# Altium PCB ASCII_LimeSDR-USB_1v4.PcbDoc (part 1 of 10) (continued)
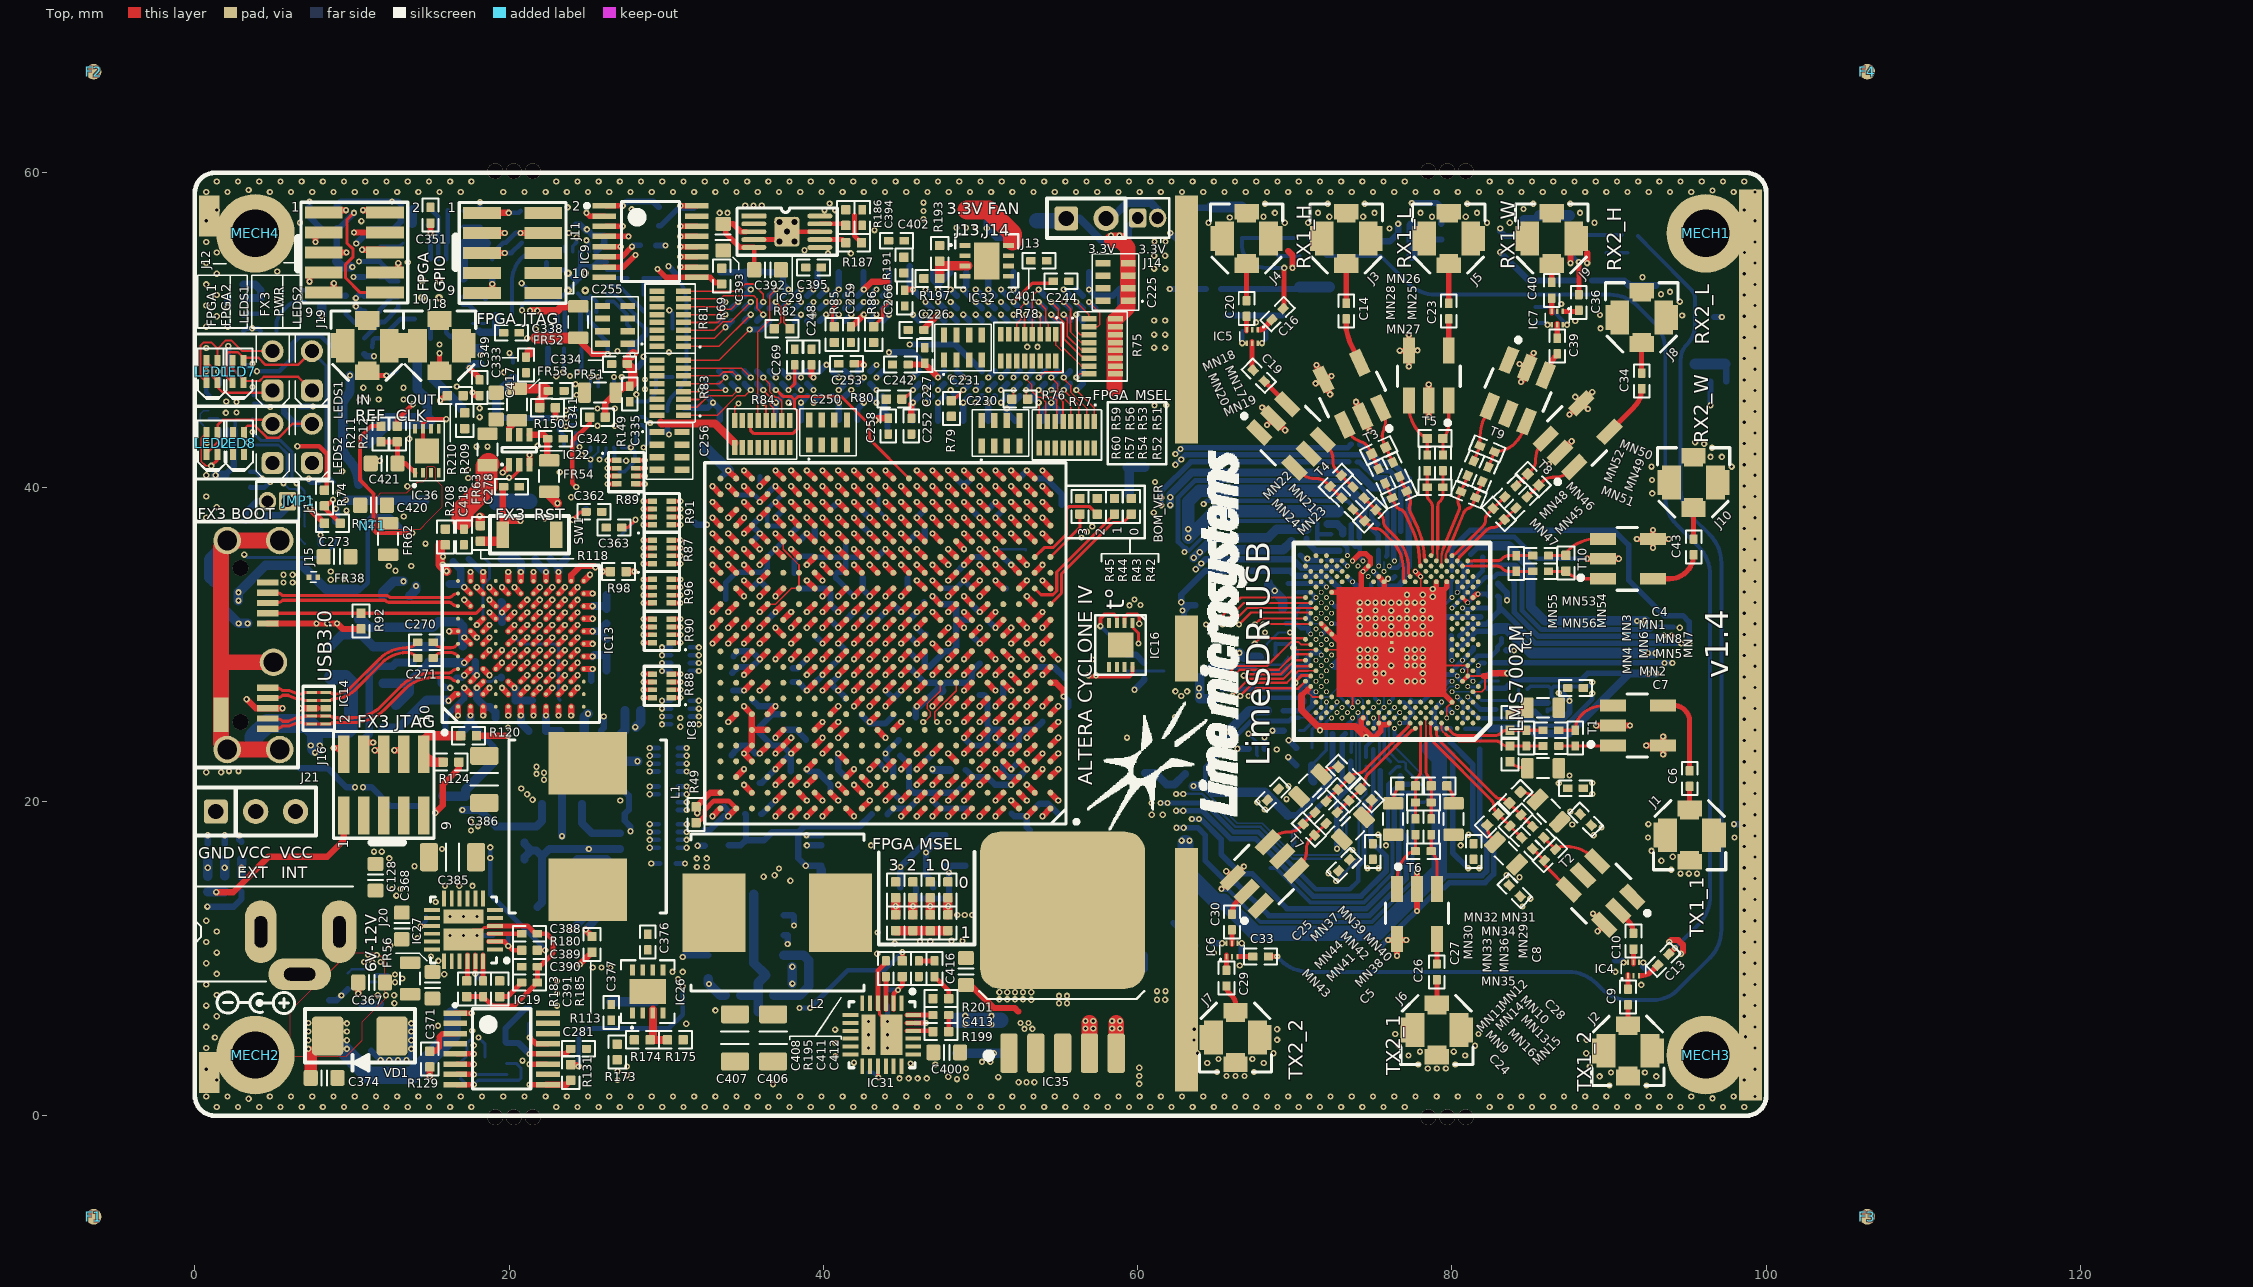
[diagram p0: Top view]
## Design rules (kind name [scope] priority, off if disabled: settings) (continued)
FanoutControl Fanout_Default [All] p0: scope1count=1 scope1_0_kind=Board scope1_0_value=Board scope2count=1 scope2_0_kind=Board scope2_0_value=Board commentlength=30 // Fanout_Default (Default Rule)
Height "PCI Express, Page 84, \"Component Height Constraints\" for solder side" [All] p0 off: scope1count=1 scope1_0_kind=Board scope1_0_value=Board scope2count=1 scope2_0_kind=Board scope2_0_value=Board commentlength=52 // Protel DXP Scope 1 Expression Was: OnBottomLayer
Height "PCI Express, Page 84, \"Component Height Constraints\" for component side" [All] p0 off: scope1count=1 scope1_0_kind=Board scope1_0_value=Board scope2count=1 scope2_0_kind=Board scope2_0_value=Board commentlength=49 // Protel DXP Scope 1 Expression Was: OnTopLayer
Height "PCI Express, Page 84, \"Component Height Constraints\" for solder side" [OnBottomLayer] p1: minheight=0 maxheight=2.67 prefheight=2.67
Height "PCI Express, Page 84, \"Component Height Constraints\" for component side" [OnTopLayer] p2: minheight=0 maxheight=14.47 prefheight=14.47
HoleSize [All] p0: scope1count=1 scope1_0_kind=Board scope1_0_value=Board scope2count=1 scope2_0_kind=Board scope2_0_value=Board commentlength=0 absolutevalues=TRUE maxlimit=10 minlimit=0.2 maxpercent=80.000 minpercent=20.000
HoleSize [All] p1: absolutevalues=TRUE maxlimit=10 minlimit=0.2 maxpercent=80.000 minpercent=20.000
HoleToHoleClearance [All] p0: scope1count=1 scope1_0_kind=Board scope1_0_value=Board scope2count=1 scope2_0_kind=Board scope2_0_value=Board commentlength=0
HoleToHoleClearance [All] p1: gap=0.15 allowstackedmicrovias=TRUE
LayerPairs [All] p0: scope1count=1 scope1_0_kind=Board scope1_0_value=Board scope2count=1 scope2_0_kind=Board scope2_0_value=Board commentlength=0 enforce=TRUE
MatchedLengths MatchedLengths_LMS_PORT2 [All] p0: scope1count=1 scope1_0_kind=NetClass scope1_0_value=LMS_PORT2 scope2count=1 scope2_0_kind=Board scope2_0_value=Board commentlength=45 tolerance=1 amplitude=5.08 gap=0.508 style=90-Degree // tolerance increased due to MCLK being longer
MatchedLengths MatchedLengths_LMS_PORT1 [All] p0: scope1count=1 scope1_0_kind=NetClass scope1_0_value=LMS_PORT1 scope2count=1 scope2_0_kind=Board scope2_0_value=Board commentlength=45 tolerance=1 amplitude=5.08 gap=0.508 style=90-Degree // tolerance increased due to MCLK being longer
MatchedLengths MatchedLengths_DDR2_2_DQ [All] p0: scope1count=1 scope1_0_kind=NetClass scope1_0_value=DDR2_2_DQ[0..15] scope2count=1 scope2_0_kind=Board scope2_0_value=Board commentlength=0 tolerance=0.5 amplitude=5.08 gap=0.508 style=90-Degree
MatchedLengths MatchedLengths_DDR2_2_A [All] p0: scope1count=1 scope1_0_kind=NetClass scope1_0_value=DDR2_2_A[0..12] scope2count=1 scope2_0_kind=Board scope2_0_value=Board commentlength=0 tolerance=0.5 amplitude=5.08 gap=0.508 style=90-Degree
MatchedLengths MatchedLengths_DDR2_1_DQ [All] p0: scope1count=1 scope1_0_kind=NetClass scope1_0_value=DDR2_1_DQ[0..15] scope2count=1 scope2_0_kind=Board scope2_0_value=Board commentlength=0 tolerance=0.5 amplitude=5.08 gap=0.508 style=90-Degree
MatchedLengths MatchedLengths_DDR2_1_A [All] p0: scope1count=1 scope1_0_kind=NetClass scope1_0_value=DDR2_1_A[0..12] scope2count=1 scope2_0_kind=Board scope2_0_value=Board commentlength=0 tolerance=0.5 amplitude=5.08 gap=0.508 style=90-Degree
MatchedLengths MatchedLengths_DDR2_2_DQ [InNetClass('DDR2_2_DQ[0..15]')] p1: tolerance=0.5 checknetsindiffpair=FALSE checkdiffpairvsdiffpair=TRUE checkxsignals=TRUE checkothers=TRUE
MatchedLengths MatchedLengths_DDR2_1_DQ [InNetClass('DDR2_1_DQ[0..15]')] p2: tolerance=0.5 checknetsindiffpair=FALSE checkdiffpairvsdiffpair=TRUE checkxsignals=TRUE checkothers=TRUE
MatchedLengths MatchedLengths_DDR2_2_A [InNetClass('DDR2_2_A[0..12]')] p3: tolerance=0.5 checknetsindiffpair=FALSE checkdiffpairvsdiffpair=TRUE checkxsignals=TRUE checkothers=TRUE
MatchedLengths MatchedLengths_DDR2_1_A [InNetClass('DDR2_1_A[0..12]')] p4: tolerance=0.5 checknetsindiffpair=FALSE checkdiffpairvsdiffpair=TRUE checkxsignals=TRUE checkothers=TRUE
MatchedLengths MatchedLengths_LMS_PORT1 [InNetClass('LMS_PORT1')] p5: tolerance=1 checknetsindiffpair=FALSE checkdiffpairvsdiffpair=TRUE checkxsignals=TRUE checkothers=TRUE // tolerance increased due to MCLK being longer
MatchedLengths MatchedLengths_LMS_PORT2 [InNetClass('LMS_PORT2')] p6: tolerance=1 checknetsindiffpair=FALSE checkdiffpairvsdiffpair=TRUE checkxsignals=TRUE checkothers=TRUE // tolerance increased due to MCLK being longer
MinimumSolderMaskSliver [All] p0: scope1count=1 scope1_0_kind=Board scope1_0_value=Board scope2count=1 scope2_0_kind=Board scope2_0_value=Board commentlength=0
NetAntennae [All] p0: scope1count=1 scope1_0_kind=Board scope1_0_value=Board scope2count=1 scope2_0_kind=Board scope2_0_value=Board commentlength=0
PasteMaskExpansion [All] p0: scope1count=1 scope1_0_kind=Board scope1_0_value=Board scope2count=1 scope2_0_kind=Board scope2_0_value=Board commentlength=0 expansion=0
PlaneClearance [All] p0: scope1count=1 scope1_0_kind=Board scope1_0_value=Board scope2count=1 scope2_0_kind=Board scope2_0_value=Board commentlength=0 clearance=0
PlaneClearance [All] p1: clearance=0
PlaneConnect [All] p0: scope1count=1 scope1_0_kind=Board scope1_0_value=Board scope2count=1 scope2_0_kind=Board scope2_0_value=Board commentlength=0 planeconnectstyle=Relief reliefexpansion=0.508 reliefentries=4 reliefconductorwidth=0.254 reliefairgap=0.254
PolygonConnect PolygonConnect_VDIO_LMS_LMK [All] p0: scope1count=1 scope1_0_kind=Net scope1_0_value=VDIO_LMS_LMK scope2count=1 scope2_0_kind=Board scope2_0_value=Board commentlength=0 connectstyle=Direct reliefconductorwidth=0.254 reliefentries=4 polygonreliefangle="90 Angle"
PolygonConnect PolygonConnect_netC237_1 [All] p0: scope1count=1 scope1_0_kind=Net scope1_0_value=NetC373_1 scope2count=1 scope2_0_kind=Board scope2_0_value=Board commentlength=0 connectstyle=Direct reliefconductorwidth=0.254 reliefentries=4 polygonreliefangle="90 Angle"
PolygonConnect PolygonConnect_VCC_EXT [All] p0: scope1count=1 scope1_0_kind=Net scope1_0_value=VCC_EXT scope2count=1 scope2_0_kind=Board scope2_0_value=Board commentlength=0 connectstyle=Direct reliefconductorwidth=0.254 reliefentries=4 polygonreliefangle="90 Angle"
PolygonConnect PolygonConnect_VCC_INT [All] p0: scope1count=1 scope1_0_kind=Net scope1_0_value=VCC_INT scope2count=1 scope2_0_kind=Board scope2_0_value=Board commentlength=0 connectstyle=Direct reliefconductorwidth=0.254 reliefentries=4 polygonreliefangle="90 Angle"
PolygonConnect PolygonConnect_NETJ17_1 [All] p0: scope1count=1 scope1_0_kind=Net scope1_0_value=NetJ17_1 scope2count=1 scope2_0_kind=Board scope2_0_value=Board commentlength=0 connectstyle=Direct reliefconductorwidth=0.254 reliefentries=4 polygonreliefangle="90 Angle"
PolygonConnect PolygonConnect_VCC1P2 [All] p0: scope1count=1 scope1_0_kind=Net scope1_0_value=VCC1P2 scope2count=1 scope2_0_kind=Board scope2_0_value=Board commentlength=0 connectstyle=Direct reliefconductorwidth=0.254 reliefentries=4 polygonreliefangle="90 Angle"
PolygonConnect PolygonConnect_VCC5P0 [All] p0: scope1count=1 scope1_0_kind=NetClass scope1_0_value=VCC5P0 scope2count=1 scope2_0_kind=Board scope2_0_value=Board commentlength=0 connectstyle=Direct reliefconductorwidth=0.254 reliefentries=4 polygonreliefangle="90 Angle"
PolygonConnect PolygonConnect_VCC2P5 [All] p0: scope1count=1 scope1_0_kind=Net scope1_0_value=VCC2P5 scope2count=1 scope2_0_kind=Board scope2_0_value=Board commentlength=0 connectstyle=Direct reliefconductorwidth=0.254 reliefentries=4 polygonreliefangle="90 Angle"
PolygonConnect PolygonConnect_VCC1P8_DDR2 [All] p0: scope1count=1 scope1_0_kind=NetClass scope1_0_value=VCC1P8_DDR2 scope2count=1 scope2_0_kind=Board scope2_0_value=Board commentlength=0 connectstyle=Direct reliefconductorwidth=0.254 reliefentries=4 polygonreliefangle="90 Angle"
PolygonConnect PolygonConnect_VCC5P0_USB [All] p0: scope1count=1 scope1_0_kind=NetClass scope1_0_value=VCC5P0_USB scope2count=1 scope2_0_kind=Board scope2_0_value=Board commentlength=0 connectstyle=Direct reliefconductorwidth=0.254 reliefentries=4 polygonreliefangle="90 Angle"
PolygonConnect [All] p0: scope1count=1 scope1_0_kind=Board scope1_0_value=Board scope2count=1 scope2_0_kind=Board scope2_0_value=Board commentlength=0 connectstyle=Relief reliefconductorwidth=0.254 reliefentries=4 polygonreliefangle="90 Angle"
PolygonConnect PolygonConnect_VCC3P3 [All] p0: scope1count=1 scope1_0_kind=NetClass scope1_0_value=VCC3P3 scope2count=1 scope2_0_kind=Board scope2_0_value=Board commentlength=0 connectstyle=Direct reliefconductorwidth=0.254 reliefentries=4 polygonreliefangle="90 Angle"
PolygonConnect PolygonConnect_VREF_DDR [All] p0: scope1count=1 scope1_0_kind=Net scope1_0_value=VREF_DDR2 scope2count=1 scope2_0_kind=Board scope2_0_value=Board commentlength=0 connectstyle=Direct reliefconductorwidth=0.254 reliefentries=4 polygonreliefangle="90 Angle"
PolygonConnect PolygonConnect_VCC1P8 [All] p0: scope1count=1 scope1_0_kind=Net scope1_0_value=VCC1P8 scope2count=1 scope2_0_kind=Board scope2_0_value=Board commentlength=0 connectstyle=Direct reliefconductorwidth=0.254 reliefentries=4 polygonreliefangle="90 Angle"
PolygonConnect PolygonConnect_VDIO_LMS_FPGA [All] p0: scope1count=1 scope1_0_kind=Net scope1_0_value=VDIO_LMS_FPGA scope2count=1 scope2_0_kind=Board scope2_0_value=Board commentlength=0 connectstyle=Direct reliefconductorwidth=0.254 reliefentries=4 polygonreliefangle="90 Angle"
PolygonConnect PolygonConnect_VCC1P8_LMS [All] p0: scope1count=1 scope1_0_kind=Net scope1_0_value=VCC1P8_LMS scope2count=1 scope2_0_kind=Board scope2_0_value=Board commentlength=0 connectstyle=Direct reliefconductorwidth=0.254 reliefentries=4 polygonreliefangle="90 Angle"
PolygonConnect PolygonConnect_VCC3P3_FX3 [All] p0: scope1count=1 scope1_0_kind=Net scope1_0_value=VCC3P3_FX3 scope2count=1 scope2_0_kind=Board scope2_0_value=Board commentlength=0 connectstyle=Direct reliefconductorwidth=0.254 reliefentries=4 polygonreliefangle="90 Angle"
PolygonConnect PolygonConnect_VCC1P8_FX3 [All] p0: scope1count=1 scope1_0_kind=Net scope1_0_value=VCC1P8_FX3 scope2count=1 scope2_0_kind=Board scope2_0_value=Board commentlength=0 connectstyle=Direct reliefconductorwidth=0.254 reliefentries=4 polygonreliefangle="90 Angle"
PolygonConnect PolygonConnect_+3.3V_DIG_LMK [All] p0: scope1count=1 scope1_0_kind=Net scope1_0_value=+3.3V_DIG_LMK scope2count=1 scope2_0_kind=Board scope2_0_value=Board commentlength=0 connectstyle=Direct reliefconductorwidth=0.254 reliefentries=4 polygonreliefangle="90 Angle"
PolygonConnect PolygonConnect_VDD_FX3 [All] p0: scope1count=1 scope1_0_kind=Net scope1_0_value=VDD_FX3 scope2count=1 scope2_0_kind=Board scope2_0_value=Board commentlength=0 connectstyle=Direct reliefconductorwidth=0.254 reliefentries=4 polygonreliefangle="90 Angle"
PolygonConnect PolygonConnect_GND [All] p0: scope1count=1 scope1_0_kind=Net scope1_0_value=GND scope2count=1 scope2_0_kind=Board scope2_0_value=Board commentlength=0 connectstyle=Direct reliefconductorwidth=0.254 reliefentries=4 polygonreliefangle="90 Angle"
PolygonConnect PolygonConnect_FX3_GND [All] p0: scope1count=1 scope1_0_kind=Net scope1_0_value=FX3_GND scope2count=1 scope2_0_kind=Board scope2_0_value=Board commentlength=0 connectstyle=Direct reliefconductorwidth=0.254 reliefentries=4 polygonreliefangle="90 Angle"
PolygonConnect PolygonConnect_NETJ15 [All] p0: scope1count=1 scope1_0_kind=Net scope1_0_value=NetJ15_1 scope2count=1 scope2_0_kind=Board scope2_0_value=Board commentlength=0 connectstyle=Direct reliefconductorwidth=0.254 reliefentries=4 polygonreliefangle="90 Angle"
PolygonConnect PolygonConnect_NETJ16 [All] p0: scope1count=1 scope1_0_kind=Net scope1_0_value=NetJ16_2 scope2count=1 scope2_0_kind=Board scope2_0_value=Board commentlength=0 connectstyle=Direct reliefconductorwidth=0.254 reliefentries=4 polygonreliefangle="90 Angle"
PolygonConnect PolygonConnect_NetC420_2 [All] p0: scope1count=1 scope1_0_kind=Net scope1_0_value=NetC420_2 scope2count=1 scope2_0_kind=Board scope2_0_value=Board commentlength=0 connectstyle=Direct reliefconductorwidth=0.254 reliefentries=4 polygonreliefangle="90 Angle"
PolygonConnect PolygonConnect_VCC3P3 [InNetClass('VCC3P3')] p1: connectstyle=Direct reliefconductorwidth=0.254 reliefentries=4 polygonreliefangle="90 Angle" airgapwidth=0.254
PolygonConnect PolygonConnect_GND [InNet('GND')] p2: connectstyle=Direct reliefconductorwidth=0.254 reliefentries=4 polygonreliefangle="90 Angle" airgapwidth=0.254
PolygonConnect PolygonConnect_FX3_GND [InNet('FX3_GND')] p3: connectstyle=Direct reliefconductorwidth=0.254 reliefentries=4 polygonreliefangle="90 Angle" airgapwidth=0.254
PolygonConnect PolygonConnect_VCC1P2 [InNet('VCC1P2')] p4: connectstyle=Direct reliefconductorwidth=0.254 reliefentries=4 polygonreliefangle="90 Angle" airgapwidth=0.254
PolygonConnect PolygonConnect_NetC420_2 [InNet('NetC420_2')] p5: connectstyle=Direct reliefconductorwidth=0.254 reliefentries=4 polygonreliefangle="90 Angle" airgapwidth=0.254
PolygonConnect PolygonConnect_VDIO_LMS_LMK [InNet('VDIO_LMS_LMK')] p6: connectstyle=Direct reliefconductorwidth=0.254 reliefentries=4 polygonreliefangle="90 Angle" airgapwidth=0.254
PolygonConnect PolygonConnect_VCC1P8 [InNet('VCC1P8')] p7: connectstyle=Direct reliefconductorwidth=0.254 reliefentries=4 polygonreliefangle="90 Angle" airgapwidth=0.254
PolygonConnect PolygonConnect_VCC1P8_LMS [InNet('VCC1P8_LMS')] p8: connectstyle=Direct reliefconductorwidth=0.254 reliefentries=4 polygonreliefangle="90 Angle" airgapwidth=0.254
PolygonConnect PolygonConnect_VCC1P8_FX3 [InNet('VCC1P8_FX3')] p9: connectstyle=Direct reliefconductorwidth=0.254 reliefentries=4 polygonreliefangle="90 Angle" airgapwidth=0.254
PolygonConnect PolygonConnect_+3.3V_DIG_LMK [InNet('+3.3V_DIG_LMK')] p10: connectstyle=Direct reliefconductorwidth=0.254 reliefentries=4 polygonreliefangle="90 Angle" airgapwidth=0.254
PolygonConnect PolygonConnect_VDD_FX3 [InNet('VDD_FX3')] p11: connectstyle=Direct reliefconductorwidth=0.254 reliefentries=4 polygonreliefangle="90 Angle" airgapwidth=0.254
PolygonConnect PolygonConnect_VCC3P3_FX3 [InNet('VCC3P3_FX3')] p12: connectstyle=Direct reliefconductorwidth=0.254 reliefentries=4 polygonreliefangle="90 Angle" airgapwidth=0.254
PolygonConnect PolygonConnect_VCC_INT [InNet('VCC_INT')] p13: connectstyle=Direct reliefconductorwidth=0.254 reliefentries=4 polygonreliefangle="90 Angle" airgapwidth=0.254
PolygonConnect PolygonConnect_VCC_EXT [InNet('VCC_EXT')] p14: connectstyle=Direct reliefconductorwidth=0.254 reliefentries=4 polygonreliefangle="90 Angle" airgapwidth=0.254
PolygonConnect PolygonConnect_NETJ17_1 [InNet('NetJ17_1')] p15: connectstyle=Direct reliefconductorwidth=0.254 reliefentries=4 polygonreliefangle="90 Angle" airgapwidth=0.254
PolygonConnect PolygonConnect_NETJ15 [InNet('NetJ15_1')] p16: connectstyle=Direct reliefconductorwidth=0.254 reliefentries=4 polygonreliefangle="90 Angle" airgapwidth=0.254
PolygonConnect PolygonConnect_NETJ16 [InNet('NetJ16_2')] p17: connectstyle=Direct reliefconductorwidth=0.254 reliefentries=4 polygonreliefangle="90 Angle" airgapwidth=0.254
PolygonConnect PolygonConnect_VREF_DDR [InNet('VREF_DDR2')] p18: connectstyle=Direct reliefconductorwidth=0.254 reliefentries=4 polygonreliefangle="90 Angle" airgapwidth=0.254
PolygonConnect PolygonConnect_VDIO_LMS_FPGA [InNet('VDIO_LMS_FPGA')] p19: connectstyle=Direct reliefconductorwidth=0.254 reliefentries=4 polygonreliefangle="90 Angle" airgapwidth=0.254
PolygonConnect PolygonConnect_VCC1P8_DDR2 [InNetClass('VCC1P8_DDR2')] p20: connectstyle=Direct reliefconductorwidth=0.254 reliefentries=4 polygonreliefangle="90 Angle" airgapwidth=0.254
PolygonConnect PolygonConnect_VCC2P5 [InNet('VCC2P5')] p21: connectstyle=Direct reliefconductorwidth=0.254 reliefentries=4 polygonreliefangle="90 Angle" airgapwidth=0.254
PolygonConnect PolygonConnect_VCC5P0_USB [InNetClass('VCC5P0_USB')] p22: connectstyle=Direct reliefconductorwidth=0.254 reliefentries=4 polygonreliefangle="90 Angle" airgapwidth=0.254
PolygonConnect PolygonConnect_VCC5P0 [InNetClass('VCC5P0')] p23: connectstyle=Direct reliefconductorwidth=0.254 reliefentries=4 polygonreliefangle="90 Angle" airgapwidth=0.254
PolygonConnect PolygonConnect_netC237_1 [InNet('NetC373_1')] p24: connectstyle=Direct reliefconductorwidth=0.254 reliefentries=4 polygonreliefangle="90 Angle" airgapwidth=0.254
PolygonConnect [All] p25: connectstyle=Relief reliefconductorwidth=0.254 reliefentries=4 polygonreliefangle="90 Angle" airgapwidth=0.254
RoutingCorners [All] p0: scope1count=1 scope1_0_kind=Board scope1_0_value=Board scope2count=1 scope2_0_kind=Board scope2_0_value=Board commentlength=0 cornerstyle=45-Degree minsetback=2.54 maxsetback=2.54
RoutingLayers [All] p0: scope1count=1 scope1_0_kind=Board scope1_0_value=Board scope2count=1 scope2_0_kind=Board scope2_0_value=Board commentlength=0 top layer=Automatic mid layer 1=Automatic mid layer 2=Automatic mid layer 3=Automatic mid layer 4=Automatic mid layer 5=Automatic mid layer 6=Automatic mid layer 7=Automatic mid layer 8=Automatic mid layer 9=Automatic mid layer 10=Automatic bottom layer=Automatic
RoutingPriority [All] p0: scope1count=1 scope1_0_kind=Board scope1_0_value=Board scope2count=1 scope2_0_kind=Board scope2_0_value=Board commentlength=0
RoutingTopology [All] p0: scope1count=1 scope1_0_kind=Board scope1_0_value=Board scope2count=1 scope2_0_kind=Board scope2_0_value=Board commentlength=0 topology=Shortest
RoutingVias [All] p0: scope1count=1 scope1_0_kind=Board scope1_0_value=Board scope2count=1 scope2_0_kind=Board scope2_0_value=Board commentlength=0 holewidth=0.2 width=0.4 viastyle="Through Hole" minholewidth=0.2 minwidth=0.31 maxholewidth=4.5 maxwidth=5
RoutingVias [All] p1: holewidth=0.2 width=0.4 viastyle="Through Hole" minholewidth=0.2 minwidth=0.31 maxholewidth=4.5 maxwidth=5
ShortCircuit [All] p0: scope1count=1 scope1_0_kind=Board scope1_0_value=Board scope2count=1 scope2_0_kind=Board scope2_0_value=Board commentlength=0 allowed=FALSE
SilkToBoardRegionClearance [All] p0: scope1count=1 scope1_0_kind=Board scope1_0_value=Board scope2count=1 scope2_0_kind=Board scope2_0_value=Board commentlength=0
SilkToSilkClearance [All] p0: scope1count=1 scope1_0_kind=Board scope1_0_value=Board scope2count=1 scope2_0_kind=Board scope2_0_value=Board commentlength=0
SilkToSilkClearance [All] p1: silktosilkclearance=0.1
SilkToSolderMaskClearance SilkscreenOverComponentPads [All] p0 off: scope1count=1 scope1_0_kind=Board scope1_0_value=Board scope2count=1 scope2_0_kind=Board scope2_0_value=Board commentlength=44 // Protel DXP Scope 1 Expression Was: IsPad
SilkToSolderMaskClearance SilkscreenOverComponentPads [IsPad] p1: minsilkscreentomaskgap=0.254 clearancetoexposedcopper=TRUE
SolderMaskExpansion [All] p0: scope1count=1 scope1_0_kind=Board scope1_0_value=Board scope2count=1 scope2_0_kind=Board scope2_0_value=Board commentlength=0 expansion=0.05
SolderMaskExpansion [All] p1: expansion=0.05
UnRoutedNet [All] p0: scope1count=1 scope1_0_kind=Board scope1_0_value=Board scope2count=1 scope2_0_kind=Board scope2_0_value=Board commentlength=0
UnpouredPolygon [All] p0: scope1count=1 scope1_0_kind=Board scope1_0_value=Board scope2count=1 scope2_0_kind=Board scope2_0_value=Board commentlength=0
Width Width_ClumsyConnection [All] p0: scope1count=1 scope1_0_kind=Board scope1_0_value=Board scope2count=1 scope2_0_kind=Board scope2_0_value=Board commentlength=0 maxlimit=7 minlimit=0.1 preferedwidth=0.2
Width [All] p0: scope1count=1 scope1_0_kind=Board scope1_0_value=Board scope2count=1 scope2_0_kind=Board scope2_0_value=Board commentlength=0 maxlimit=5 minlimit=0.1 preferedwidth=0.2
Width Width_ClumsyConnection [All] p1: maxlimit=7 minlimit=0.1 preferedwidth=0.2 checkconnectedcopper=TRUE
Width [All] p2: maxlimit=5 minlimit=0.1 preferedwidth=0.2
20 further rules are at their usual default settings.

## Classes and differential pairs
net class LB_CTRL: TX1_2_LB_AT TX1_2_LB_H TX1_2_LB_L TX1_2_LB_SH TX2_2_LB_H TX2_2_LB_L TX2_2_LB_SH
net class VCC_CFX3: VCC_CFX3
net class VCC3P3_LMK: VCC3P3_LMK
net class VDIO_LMS_LMK: VDIO_LMS_LMK
net class LMS_MISC: LMS_CORE_LDO_EN LMS_RESET LMS_RXEN LMS_TXEN
net class VCC_INT: VCC_INT
net class VDIO_LMS: VDIO_LMS
net class VDIO_LMS_FPGA: VDIO_LMS_FPGA
net class VCC5P0_USB: VCC5P0_USB
net class VCC3P3: VCC3P3
net class VCC3P3_CLK: VCC3P3_CLK
net class VCC2P5: VCC2P5
net class VCC1P25_LMS: VCC1P25_LMS
net class VCC1P25_LMS_DIG: VCC1P25_LMS_DIG
net class VCC1P8: VCC1P8
net class VCC1P8_LMS: VCC1P8_LMS
net class VCC1P8_DDR2: VCC1P8_DDR2
net class VCC1P4_LMS: VCC1P4_LMS
net class VCC1P2: VCC1P2
net class FX3_JTAG: FX3_JTAG_TCK FX3_JTAG_TDI FX3_JTAG_TDO FX3_JTAG_TMS FX3_JTAG_TRST FX3_RST NetJ16_10
net class I2C_BRDG: BRDG_INT BRDG_SPI_DUMMY_SS BRDG_SPI_FPGA_SS BRDG_SPI_MISO BRDG_SPI_MOSI BRDG_SPI_SCLK
net class LMS_I2C: LMS_I2C_SCL LMS_I2C_SDA
net class FPGA_SPI0: FPGA_SPI0_LMS_SS FPGA_SPI0_MISO FPGA_SPI0_MOSI FPGA_SPI0_SCLK NetC1_1 NetIC1_D28 NetIC1_F28 NetIC1_F30
net class FPGA_JTAG: FPGA_JTAG_TCK FPGA_JTAG_TDI FPGA_JTAG_TDO FPGA_JTAG_TMS NetJ11_7
net class FPGA_GPIO: FPGA_GPIO0 FPGA_GPIO1 FPGA_GPIO2 FPGA_GPIO3 FPGA_GPIO4 FPGA_GPIO5 FPGA_GPIO6 FPGA_GPIO7
net class FPGA_CONF: FPGA_AS_DCLK FPGA_CONF_DONE FPGA_NCONFIG FPGA_NSTATUS
net class FPGA_MSEL: MSEL0 MSEL1 MSEL2 MSEL3
component class 14_Clocks: C321 C322 C323 C324 C325 C326 C327 C328 C329 C330 C331 C332 C333 C334 C335 C336 C337 C338 C339 C340 C341 C342 C343 C344 C345 C346 C347 C348 C349 C350 C351 C352 C353 C354 C355 C356 C357 C358 C359 C360 C361 C362 C363 C364 C365 C366 C? FR49 FR50 FR51 FR52 FR53 FR54 FR55 FR? IC20 IC21 IC22 IC23 IC24 J18 J19 J? R136 R137 R138 R139 R140 R141 R142 R143 R144 R145 R146 R147 R148 R149 R150 R151 R152 R153 R154 R155 R156 R157 R158 R159 R160 R161 R162 R163 R164 R165 XO1 XO2 XO? XT2 XT?
component class 15_BoardPowerSupply: C367 C368 C369 C370 C371 C372 C373 C374 C375 C376 C377 C378 C379 C380 C381 C382 C383 C384 C385 C386 C387 C388 C389 C390 C391 C392 C393 C394 C395 C396 C397 C398 C399 C400 C401 C402 C403 C404 C405 C406 C407 C408 C409 C410 C411 C412 C413 C414 C415 C416 C417 C418 C419 C420 C421 C422 C423 C424 C? F1 F2 F3 F4 F? FR56 FR57 FR58 FR59 FR60 FR61 FR62 FR63 FR? IC25 IC26 IC27 IC28 IC29 IC30 IC31 IC32 IC33 IC34 IC35 IC36 IC39 J20 J21 J? L1 L2 L? LED1 LED2 LED7 LED8 LED? LEDS1 LEDS2 LEDS? MECH1 MECH2 MECH3 MECH4 MECH? R166 R167 R168 R169 R170 R171 R172 R173 R174 R175 R176 R177 R178 R179 R180 R181 R182 R183 R184 R185 R186 R187 R188 R189 R190 R191 R192 R193 R194 R195 R196 R197 R198 R199 R200 R201 R202 R203 R204 R205 R206 R207 R208 R209 R210 R211 R212 R213 R214 R215 R216 R217 R218 R219 R? VD1 VD?
net class LMS_PORT2: LMS_DIQ2_D0 LMS_DIQ2_D1 LMS_DIQ2_D2 LMS_DIQ2_D3 LMS_DIQ2_D4 LMS_DIQ2_D5 LMS_DIQ2_D6 LMS_DIQ2_D7 LMS_DIQ2_D8 LMS_DIQ2_D9 LMS_DIQ2_D10 LMS_DIQ2_D11 LMS_ENABLE_IQSEL2 LMS_FCLK2 LMS_MCLK2 LMS_TXNRX2
net class LMS_PORT1: LMS_DIQ1_D0 LMS_DIQ1_D1 LMS_DIQ1_D2 LMS_DIQ1_D3 LMS_DIQ1_D4 LMS_DIQ1_D5 LMS_DIQ1_D6 LMS_DIQ1_D7 LMS_DIQ1_D8 LMS_DIQ1_D9 LMS_DIQ1_D10 LMS_DIQ1_D11 LMS_ENABLE_IQSEL1 LMS_FCLK1 LMS_MCLK1 LMS_TXNRX1
component class 04_LMS7002M_Misc: C1 C2 C3 IC1 IC2 IC3 R1 R2 R3 R4 R5 R6 R7 R8 R9 R10 R11 R12 R13
net class FX3_DATA: FX3_OTG_ID FX3_USB_D_N FX3_USB_D_P FX3_USB_SSRX_N FX3_USB_SSRX_P FX3_USB_SSTX_IC_N FX3_USB_SSTX_IC_P FX3_USB_SSTX_N FX3_USB_SSTX_P
net class CLK_PATH: NetC182_1 NetC281_1 NetC321_1 NetC321_2 NetC322_2 NetIC20_3 NetIC20_5 NetR137_2 REF_CLK_IN RXPLL_CLK TXPLL_CLK
component class 12_USB3_0_device: C270 C271 C272 C273 C274 C275 C276 C277 C278 C279 C280 C281 C282 FR38 FR39 IC13 IC14 IC15 IC16 IC17 IC18 IC19 J15 J16 J17 JMP1 NT1 R87 R88 R89 R90 R91 R92 R93 R94 R95 R96 R97 R98 R99 R100 R101 R102 R103 R104 R105 R106 R107 R108 R109 R110 R111 R112 R113 R114 R115 R116 R117 R118 R119 R120 R121 R122 R123 R124 R125 R126 R127 R128 R129 R130 R131 R132 R133 R134 R135 SW1 XT1
component class 11_DDR2: C221 C222 C223 C224 C225 C226 C227 C228 C229 C230 C231 C232 C233 C234 C235 C236 C237 C238 C239 C240 C241 C242 C243 C244 C245 C246 C247 C248 C249 C250 C251 C252 C253 C254 C255 C256 C257 C258 C259 C260 C261 C262 C263 C264 C265 C266 C267 C268 C269 FR76 IC11 IC12 R75 R76 R77 R78 R79 R80 R81 R82 R83 R84 R85 R86 XT6
component class 05_LMS7002M_RF1: C4 C5 C6 C7 C8 C9 C10 C11 C12 C13 C14 C15 C16 C17 C18 C19 C20 C21 C22 C23 IC4 IC5 J1 J2 J3 J4 J5 MN1 MN2 MN3 MN4 MN5 MN6 MN7 MN8 MN9 MN10 MN11 MN12 MN13 MN14 MN15 MN16 MN17 MN18 MN19 MN20 MN21 MN22 MN23 MN24 MN25 MN26 MN27 MN28 R14 R15 R16 R17 RA1 RA2 RA3 RA4 T1 T2 T3 T4 T5 VT1 VT2 VT3
component class 07_LMS7002M_Power: C44 C45 C46 C47 C48 C49 C50 C51 C52 C53 C54 C55 C56 C57 C58 C59 C60 C61 C62 C63 C64 C65 C66 C67 C68 C69 C70 C71 C72 C73 C74 C75 C76 C77 C78 C79 C80 C81 C82 C83 C84 C85 C86 C87 C88 C89 C90 C91 C92 C93 C94 C95 C96 C97 C98 C99 C100 C101 C102 FR1 FR2 FR3 FR4 FR5 FR6 FR7 FR8 FR9 FR10 FR11 FR12 FR13 FR14 FR15 FR16 FR17 FR18 FR19 FR20 FR21 FR22 FR23 FR24 FR25 FR26 FR27 FR28 FR29 FR30 FR31 FR32 FR33 FR34 FR35 R22 R23 R24 R25 R26 R27 R28 R29 R30 R31 R32 R33 R34 R35 R36 R37 R38 R39 R40 R41
net class TX_RF: TXRF1_1AB_N TXRF1_1AB_P TXRF1_1BB_N TXRF1_1BB_P TXRF1_2AB_N TXRF1_2AB_P TXRF1_2BB_N TXRF1_2BB_P TXRF2_1AB_N TXRF2_1AB_P TXRF2_1BB_N TXRF2_1BB_P TXRF2_2AB_N TXRF2_2AB_P TXRF2_2BB_N TXRF2_2BB_P
net class RX_RF: RXRF1_HAB_N RXRF1_HAB_P RXRF1_HBB_N RXRF1_HBB_P RXRF1_LAB_N RXRF1_LAB_P RXRF1_LBB_N RXRF1_LBB_P RXRF1_WAB_N RXRF1_WAB_P RXRF1_WBB_N RXRF1_WBB_P RXRF2_HAB_N RXRF2_HAB_P RXRF2_HBB_N RXRF2_HBB_P RXRF2_LAB_N RXRF2_LAB_P RXRF2_LBB_N RXRF2_LBB_P RXRF2_WAB_N RXRF2_WAB_P RXRF2_WBB_N RXRF2_WBB_P
component class 08_FPGA_banks_1_2_3_4: C103 C104 C105 C106 C107 C108 C109 C110 C111 C112 C113 C114 IC8 R42 R43 R44 R45 R46 R47
net class FPGA_DDR0_A: DDR2_1_A0 DDR2_1_A1 DDR2_1_A2 DDR2_1_A3 DDR2_1_A4 DDR2_1_A5 DDR2_1_A6 DDR2_1_A7 DDR2_1_A8 DDR2_1_A9 DDR2_1_A10 DDR2_1_A11 DDR2_1_A12
net class FPGA_DDR0_BA: DDR2_1_BA0 DDR2_1_BA1 DDR2_1_BA2
net class FPGA_DDR0_CTRL: DDR2_1_CASN DDR2_1_CKE DDR2_1_CSN DDR2_1_DM0 DDR2_1_DM1 DDR2_1_DQS0 DDR2_1_DQS0N DDR2_1_DQS1 DDR2_1_DQS1N DDR2_1_ODT DDR2_1_RASN DDR2_1_WEN VREF_DDR2
net class FPGA_DDR0_DQ: DDR2_1_DQ0 DDR2_1_DQ1 DDR2_1_DQ2 DDR2_1_DQ3 DDR2_1_DQ4 DDR2_1_DQ5 DDR2_1_DQ6 DDR2_1_DQ7 DDR2_1_DQ8 DDR2_1_DQ9 DDR2_1_DQ10 DDR2_1_DQ11 DDR2_1_DQ12 DDR2_1_DQ13 DDR2_1_DQ14 DDR2_1_DQ15
net class FPGA_DDR1_A: DDR2_2_A0 DDR2_2_A1 DDR2_2_A2 DDR2_2_A3 DDR2_2_A4 DDR2_2_A5 DDR2_2_A6 DDR2_2_A7 DDR2_2_A8 DDR2_2_A9 DDR2_2_A10 DDR2_2_A11 DDR2_2_A12
net class FPGA_DDR1_BA: DDR2_2_BA0 DDR2_2_BA1 DDR2_2_BA2
net class FPGA_DDR1_CTRL: DDR2_2_CASN DDR2_2_CKE DDR2_2_CSN DDR2_2_DM0 DDR2_2_DM1 DDR2_2_DQS0 DDR2_2_DQS0N DDR2_2_DQS1 DDR2_2_DQS1N DDR2_2_ODT DDR2_2_RASN DDR2_2_WEN VREF_DDR2
net class FPGA_DDR1_DQ: DDR2_2_DQ0 DDR2_2_DQ1 DDR2_2_DQ2 DDR2_2_DQ3 DDR2_2_DQ4 DDR2_2_DQ5 DDR2_2_DQ6 DDR2_2_DQ7 DDR2_2_DQ8 DDR2_2_DQ9 DDR2_2_DQ10 DDR2_2_DQ11 DDR2_2_DQ12 DDR2_2_DQ13 DDR2_2_DQ14 DDR2_2_DQ15
component class 10_FPGA_misc: C115 C116 C117 C118 C119 C120 C121 C122 C123 C124 C125 C126 C127 C128 C129 C130 C131 C132 C133 C134 C135 C136 C137 C138 C139 C140 C141 C142 C143 C144 C145 C146 C147 C148 C149 C150 C151 C152 C153 C154 C155 C156 C157 C158 C159 C160 C161 C162 C163 C164 C165 C166 C167 C168 C169 C170 C171 C172 C173 C174 C175 C176 C177 C178 C179 C180 C181 C182 C183 C184 C185 C186 C187 C188 C189 C190 C191 C192 C193 C194 C195 C196 C197 C198 C199 C200 C201 C202 C203 C204 C205 C206 C207 C208 C209 C210 C211 C212 C213 C214 C215 C216 C217 C218 C219 C220 FR36 FR37 IC9 IC10 J11 J12 J13 J14 R51 R52 R53 R54 R55 R56 R57 R58 R59 R60 R61 R62 R63 R64 R65 R66 R67 R68 R69 R70 R71 R72 R73 R74 VT7
net class FX3_CTL: FX3_CTL0 FX3_CTL1 FX3_CTL2 FX3_CTL3 FX3_CTL4 FX3_CTL5 FX3_CTL6 FX3_CTL7 FX3_CTL8 FX3_CTL9 FX3_CTL10 FX3_CTL11 FX3_CTL12
net class FX3_DQ: FX3_DQ0 FX3_DQ1 FX3_DQ2 FX3_DQ3 FX3_DQ4 FX3_DQ5 FX3_DQ6 FX3_DQ7 FX3_DQ8 FX3_DQ9 FX3_DQ10 FX3_DQ11 FX3_DQ12 FX3_DQ13 FX3_DQ14 FX3_DQ15 FX3_DQ16 FX3_DQ17 FX3_DQ18 FX3_DQ19 FX3_DQ20 FX3_DQ21 FX3_DQ22 FX3_DQ23 FX3_DQ24 FX3_DQ25 FX3_DQ26 FX3_DQ27 FX3_DQ28 FX3_DQ29 FX3_DQ30 FX3_DQ31 FX3_PCLK
component class 13_USB3_0_power: C283 C284 C285 C286 C287 C288 C289 C290 C291 C292 C293 C294 C295 C296 C297 C298 C299 C300 C301 C302 C303 C304 C305 C306 C307 C308 C309 C310 C311 C312 C313 C314 C315 C316 C317 C318 C319 C320 FR40 FR41 FR42 FR43 FR44 FR45 FR46 FR47 FR48
net class DDR2_1_A[0..12]: DDR2_1_A0 DDR2_1_A1 DDR2_1_A2 DDR2_1_A3 DDR2_1_A4 DDR2_1_A5 DDR2_1_A6 DDR2_1_A7 DDR2_1_A8 DDR2_1_A9 DDR2_1_A10 DDR2_1_A11 DDR2_1_A12
net class DDR2_1_BA[0..2]: DDR2_1_BA0 DDR2_1_BA1 DDR2_1_BA2
net class DDR2_1_CK: DDR2_1_CLK_N DDR2_1_CLK_P DDR2_2_CLK_N DDR2_2_CLK_P
net class DDR2_1_DM[0..1]: DDR2_1_DM0 DDR2_1_DM1
net class DDR2_1_DQ[0..15]: DDR2_1_DQ0 DDR2_1_DQ1 DDR2_1_DQ2 DDR2_1_DQ3 DDR2_1_DQ4 DDR2_1_DQ5 DDR2_1_DQ6 DDR2_1_DQ7 DDR2_1_DQ8 DDR2_1_DQ9 DDR2_1_DQ10 DDR2_1_DQ11 DDR2_1_DQ12 DDR2_1_DQ13 DDR2_1_DQ14 DDR2_1_DQ15
net class DDR2_1_DQS[0..1]: DDR2_1_DQS0 DDR2_1_DQS1
net class DDR2_2_A[0..12]: DDR2_2_A0 DDR2_2_A1 DDR2_2_A2 DDR2_2_A3 DDR2_2_A4 DDR2_2_A5 DDR2_2_A6 DDR2_2_A7 DDR2_2_A8 DDR2_2_A9 DDR2_2_A10 DDR2_2_A11 DDR2_2_A12
net class DDR2_2_BA[0..2]: DDR2_2_BA0 DDR2_2_BA1 DDR2_2_BA2
net class DDR2_2_DM[0..1]: DDR2_2_DM0 DDR2_2_DM1
net class DDR2_2_DQ[0..15]: DDR2_2_DQ0 DDR2_2_DQ1 DDR2_2_DQ2 DDR2_2_DQ3 DDR2_2_DQ4 DDR2_2_DQ5 DDR2_2_DQ6 DDR2_2_DQ7 DDR2_2_DQ8 DDR2_2_DQ9 DDR2_2_DQ10 DDR2_2_DQ11 DDR2_2_DQ12 DDR2_2_DQ13 DDR2_2_DQ14 DDR2_2_DQ15
net class DDR2_2_DQS[0..1]: DDR2_2_DQS0 DDR2_2_DQS1
net class FPGA_CONFIG: EXP_CONF_DONE EXP_NCONFIG EXP_NSTATUS FPGA_CONF_DONE FPGA_NCONFIG FPGA_NSTATUS
net class SI_CLK: SI_CLK0 SI_CLK1 SI_CLK2 SI_CLK3 SI_CLK4 SI_CLK5 SI_CLK6 SI_CLK7
net class VCC_EXT: VCC_EXT
net class +1.8V_DIG_LMK: +1.8V_DIG_LMK
net class VCC1P8_FX3: VCC1P8_FX3
net class VCC3P3_FX3: VCC3P3_FX3
net class VDD_FX3: VDD_FX3
net class VTT_DDR2: VTT_DDR2
component class 06_LMS7002M_RF2: C24 C25 C26 C27 C28 C29 C30 C31 C32 C33 C34 C35 C36 C37 C38 C39 C40 C41 C42 C43 IC6 IC7 J6 J7 J8 J9 J10 MN29 MN30 MN31 MN32 MN33 MN34 MN35 MN36 MN37 MN38 MN39 MN40 MN41 MN42 MN43 MN44 MN45 MN46 MN47 MN48 MN49 MN50 MN51 MN52 MN53 MN54 MN55 MN56 R18 R19 R20 R21 RA5 RA6 RA7 RA8 T6 T7 T8 T9 T10 VT4 VT5 VT6
component class 09_FPGA_banks_5_6_7_8: R48 R49 R50
differential pair FX3_USB_SSTX: +FX3_USB_SSTX_P -FX3_USB_SSTX_N
differential pair FX3_USB_SSTX_IC: +FX3_USB_SSTX_IC_P -FX3_USB_SSTX_IC_N
differential pair FX3_USB_SSRX: +FX3_USB_SSRX_P -FX3_USB_SSRX_N
differential pair FX3_USB_D: +FX3_USB_D_P -FX3_USB_D_N
differential pair TXRF2_2BB: +TXRF2_1BB_P -TXRF2_1BB_N
differential pair TXRF2_2AB: +TXRF2_2AB_P -TXRF2_2AB_N
differential pair TXRF2_1BB: +TXRF2_2BB_P -TXRF2_2BB_N
differential pair TXRF2_1AB: +TXRF2_1AB_P -TXRF2_1AB_N
differential pair RXRF2_WBB: +RXRF2_WBB_P -RXRF2_WBB_N
differential pair RXRF2_WAB: +RXRF2_WAB_P -RXRF2_WAB_N
differential pair RXRF2_LBB: +RXRF2_LBB_P -RXRF2_LBB_N
differential pair RXRF2_LAB: +RXRF2_LAB_P -RXRF2_LAB_N
differential pair RXRF2_HBB: +RXRF2_HBB_P -RXRF2_HBB_N
differential pair RXRF2_HAB: +RXRF2_HAB_P -RXRF2_HAB_N
differential pair TXRF1_2BB: +TXRF1_2BB_P -TXRF1_2BB_N
differential pair TXRF1_2AB: +TXRF1_2AB_P -TXRF1_2AB_N
differential pair TXRF1_1BB: +TXRF1_1BB_P -TXRF1_1BB_N
differential pair TXRF1_1AB: +TXRF1_1AB_P -TXRF1_1AB_N
differential pair RXRF1_WBB: +RXRF1_WBB_P -RXRF1_WBB_N
differential pair RXRF1_WAB: +RXRF1_WAB_P -RXRF1_WAB_N
differential pair RXRF1_LBB: +RXRF1_LBB_P -RXRF1_LBB_N
differential pair RXRF1_LAB: +RXRF1_LAB_P -RXRF1_LAB_N
differential pair RXRF1_HBB: +RXRF1_HBB_P -RXRF1_HBB_N
differential pair RXRF1_HAB: +RXRF1_HAB_P -RXRF1_HAB_N
differential pair DDR2_1_CLK: +DDR2_1_CLK_P -DDR2_1_CLK_N
differential pair DDR2_2_CLK: +DDR2_2_CLK_P -DDR2_2_CLK_N
differential pair FX3_XTAL: +FX3_XTAL_P -FX3_XTAL_N
differential pair " ": +SI5351_XTAL_P -SI5351_XTAL_N

## Components (designator, comment, footprint, x,y, rotation, side; value= is the part's Value field where it differs from the comment)
C1 "10pF, 25V" CAP0402#1 70.7,21.251 r180 bottom
C2 "1uF, 10V" CAP0402#1 49.05,15.4 r270 bottom
C3 "1uF, 10V" CAP0402#1 40.375,14.975 r180 bottom
C4 "100nF, 16V" CAP0402#2 87.867,27.216 r180 top
C5 "100nF, 16V" CAP0402#2 73.141,15.937 r45 top
C6 "100nF, 16V" CAP0402#2 95.125,21.45 r90 top
C7 "100nF, 16V" CAP0402#2 87.866,20.837 r180 top
C8 "100nF, 16V" CAP0402#2 81.38,16.81 r90 top
C9 "100pF, 50V" CAP0402#2 91.2,7.55 r90 top
C10 "100pF, 50V" CAP0402#2 91.55,11.1 r90 top
C11 "47pF" CAP0402#1 92.925,8.725 r135 bottom
C12 "47pF" CAP0402#1 90.4,10.375 r270 bottom
C13 "100pF, 50V" CAP0402#2 93.454,9.929 r45 top
C14 "470pF, 50V" CAP0402#2 73.275,51.2 r270 top
C15 "100pF, 50V" CAP0402#1 63.275,53.1 r90 bottom
C16 "100pF, 50V" CAP0402#2 68.904,51.004 r225 top
C17 "100pF, 50V" CAP0402#1 79.825,57.8 r0 bottom
C18 "100pF, 50V" CAP0402#1 63.275,55.2 r270 bottom
C19 "100pF, 50V" CAP0402#2 67.708,47.088 r315 top
C20 "100pF, 50V" CAP0402#2 66.934,51.359 r270 top
C21 "47pF" CAP0402#1 66.675,50.425 r270 bottom
C22 "47pF" CAP0402#1 68.2,50.425 r270 bottom
C23 "470pF, 50V" CAP0402#2 79.8,51.2 r270 top
C24 "100nF, 16V" CAP0402#2 83.994,14.308 r135 top
C25 "100nF, 16V" CAP0402#2 68.612,20.433 r45 top
C26 "100nF, 16V" CAP0402#2 79.04,9.15 r90 top
C27 "100nF, 16V" CAP0402#2 74.966,16.812 r90 top
C28 "100nF, 16V" CAP0402#2 88.519,18.833 r135 top
C29 "100pF, 50V" CAP0402#2 65.65,8.75 r90 top
C30 "100pF, 50V" CAP0402#2 66,12.325 r90 top
C31 "47pF" CAP0402#1 67.125,10.3 r180 bottom
C32 "47pF" CAP0402#1 64.25,10.975 r0 bottom
C33 "100pF, 50V" CAP0402#2 67.825,10.125 r0 top
C34 "470pF, 50V" CAP0402#2 92.076,46.755 r270 top
C35 "100pF, 50V" CAP0402#1 86.875,53.65 r90 bottom
C36 "100pF, 50V" CAP0402#2 88.075,51.75 r270 top
C37 "100pF, 50V" CAP0402#1 82.825,55.975 r180 bottom
C38 "100pF, 50V" CAP0402#1 96.955,45.66 r0 bottom
C39 "100pF, 50V" CAP0402#2 86.7,48.975 r270 top
C40 "100pF, 50V" CAP0402#2 86.35,52.525 r270 top
C41 "47pF" CAP0402#1 84.825,50.45 r0 bottom
C42 "47pF" CAP0402#1 84.825,51.45 r0 bottom
C43 "470pF, 50V" CAP0402#2 95.38,36.193 r270 top
C44 "1uF, 20%" CAP0201 71,33.589 r270 bottom
C45 "1nF, 10%" CAP0201 70.15,33.589 r270 bottom
C46 "1uF, 20%" CAP0201 68.491,29.974 r180 bottom
C47 "1nF, 10%" CAP0201 69.851,29.219 r180 bottom
C48 "1uF, 20%" CAP0201 72.875,32.119 r270 bottom
C49 "1nF, 10%" CAP0201 73.626,32.119 r270 bottom
C50 "1uF, 20%" CAP0201 70.075,28.32 r270 bottom
C51 "1nF, 10%" CAP0201 70.801,28.311 r270 bottom
C52 "1uF, 20%" CAP0201 73.926,30.094 r0 bottom
C53 "1nF, 10%" CAP0201 71.851,31.144 r135 bottom
C54 "1uF, 20%" CAP0201 70.62,26.939 r180 bottom
C55 "1nF, 10%" CAP0201 70.575,26.005 r90 bottom
C56 "1uF, 20%" CAP0201 70.096,31.599 r90 bottom
C57 "1nF, 10%" CAP0201 70.876,31.319 r90 bottom
C58 "1uF, 20%" CAP0201 72.875,31.028 r270 bottom
C59 "1nF, 10%" CAP0201 73.626,31.019 r270 bottom
C60 "1uF, 20%" CAP0201 68.825,26.87 r270 bottom
C61 "1nF, 10%" CAP0201 69.876,26.869 r270 bottom
C62 "1uF, 20%" CAP0201 73.201,24.569 r270 bottom
C63 "1uF, 20%" CAP0201 73.301,23.644 r180 bottom
C64 "1uF, 20%" CAP0201 79.125,24.344 r270 bottom
C65 "1uF, 20%" CAP0201 73.126,26.769 r180 bottom
C66 "1uF, 20%" CAP0201 77.544,20.224 r270 bottom
C67 "1uF, 20%" CAP0201 78.162,20.245 r270 bottom
C68 "1uF, 20%" CAP0201 76.05,21.475 r270 bottom
C69 "1uF, 20%" CAP0201 76.075,33.395 r270 bottom
C70 "1uF, 20%" CAP0201 82.196,25.569 r270 bottom
C71 "1uF, 20%" CAP0201 83.176,29.619 r0 bottom
C72 "1uF, 20%" CAP0201 84.526,27.144 r0 bottom
C73 "1uF, 20%" CAP0201 76.794,26.599 r90 bottom
C74 "1uF, 20%" CAP0201 86.094,25.999 r270 bottom
C75 "1uF, 20%" CAP0201 76.351,23.894 r270 bottom
C76 "1uF, 20%" CAP0201 75.677,27.074 r90 bottom
C77 "1uF, 20%" CAP0201 83,27.905 r90 bottom
C78 "1uF, 20%" CAP0201 74.531,22.526 r270 bottom
C79 "1uF, 20%" CAP0201 74.833,26.891 r225 bottom
C80 "1uF, 20%" CAP0201 77.444,26.776 r270 bottom
C81 "1uF, 20%" CAP0201 79.101,27.894 r180 bottom
C82 "1uF, 20%" CAP0201 74.126,36.519 r90 bottom
C83 "1uF, 20%" CAP0201 80.951,26.034 r315 bottom
C84 "1uF, 20%" CAP0201 82.001,28.069 r0 bottom
C85 "1uF, 20%" CAP0201 76.426,34.589 r270 bottom
C86 "1uF, 20%" CAP0201 75.601,38.419 r180 bottom
C87 "1uF, 20%" CAP0201 81.771,23.589 r270 bottom
C88 "1uF, 20%" CAP0201 75.07,35.4 r180 bottom
C89 "1uF, 20%" CAP0201 82.226,34.869 r0 bottom
C90 "1uF, 20%" CAP0201 83.175,34.775 r90 bottom